# Altium PCB UM-64NNP-V1 rev 0.18_norail.PcbDoc (part 3 of 5) (continued)
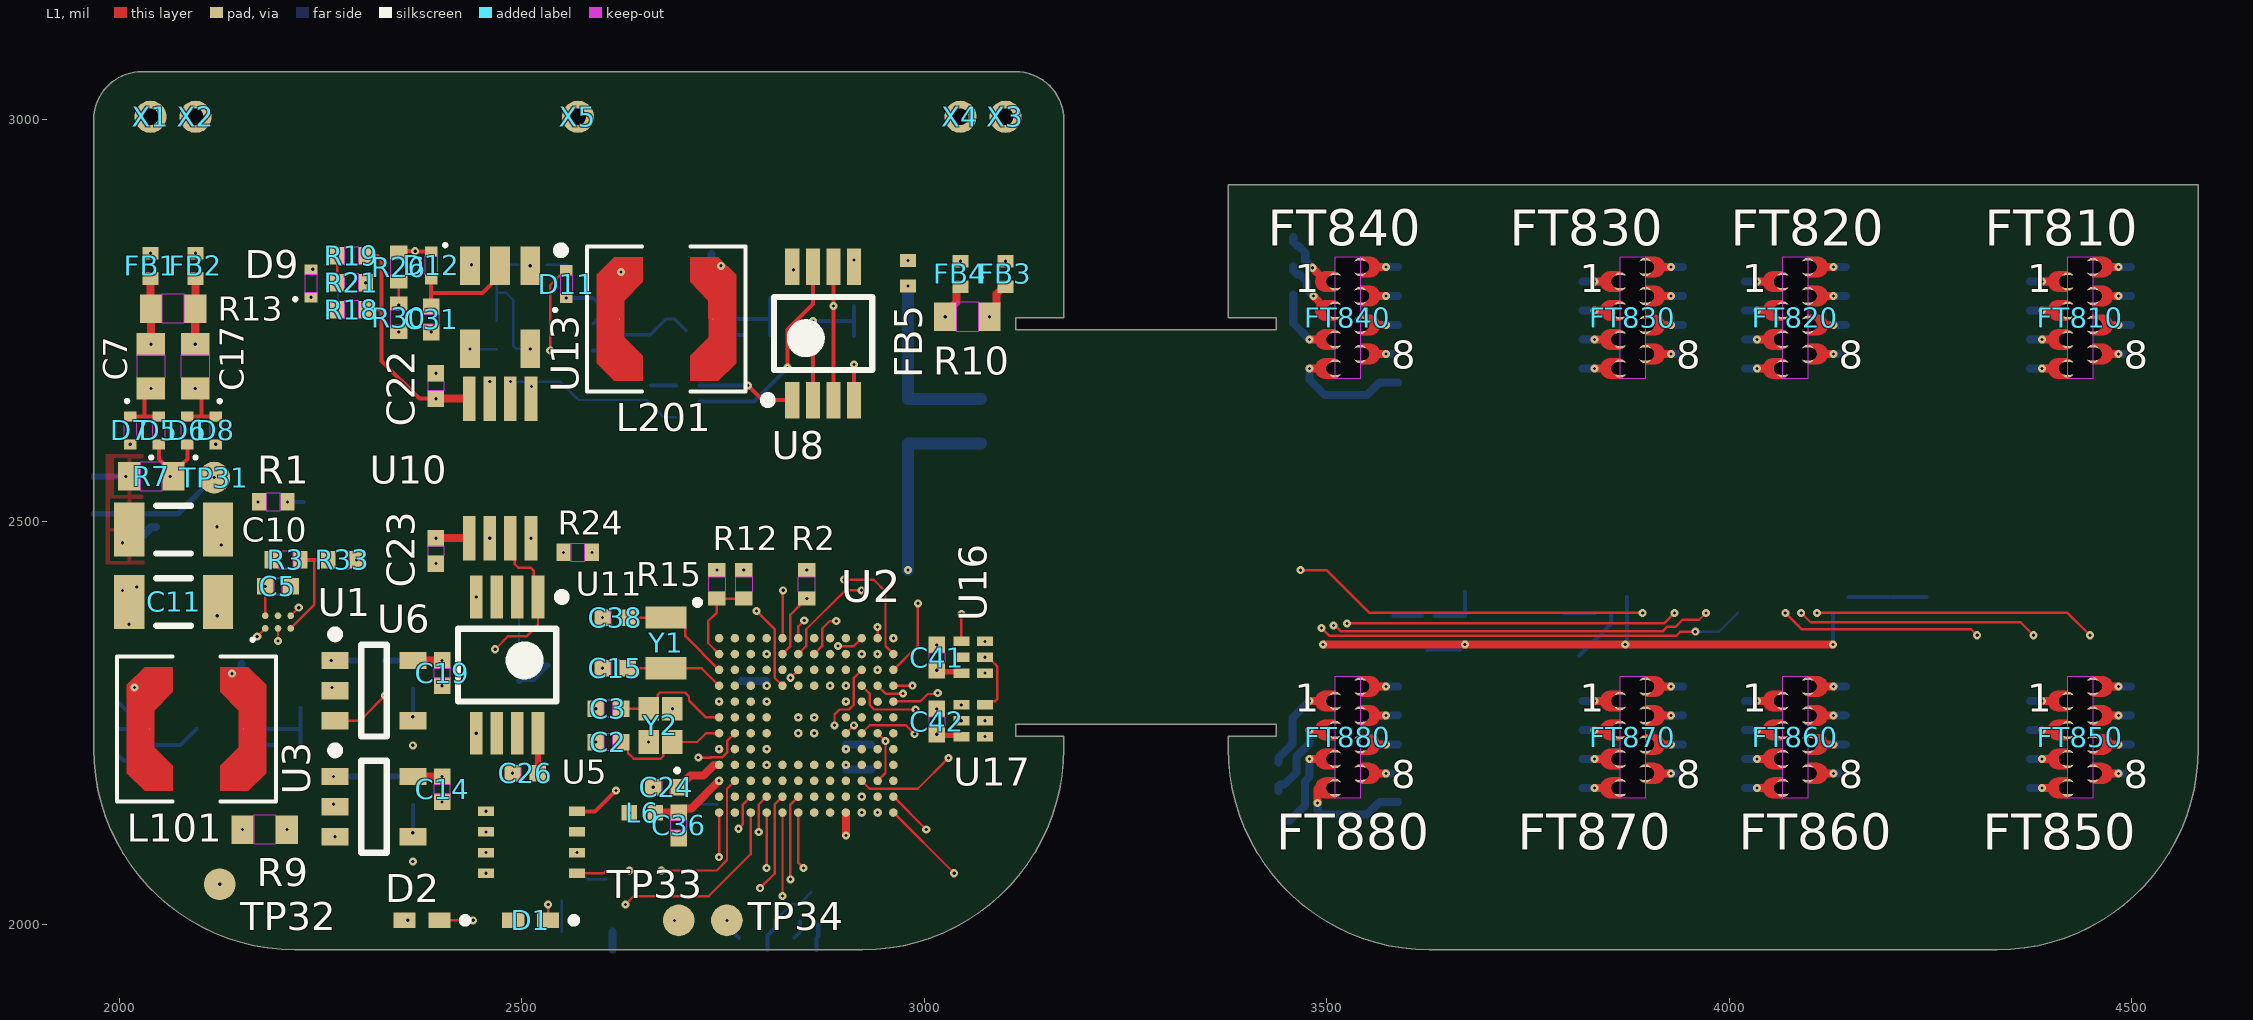
[diagram p0: L1 view]
## Nets (pads, with @x,y where several pads share a name; then routed paths per layer and width w, separated by ;. In a path a pad name is that pad's centre, name@x,y a point inside that pad or via, vN(x,y) a via of type N, cw(c..) or ccw(c..) an arc to the next point about the centre after c; other vN are vias at no path point) (continued)
  other v4: 4495.5,2780.5
  other v5: 4483.5,2780.5
IN12: C857.2 D857.1 FT850.7 U701.D2 | length 818.6
  L1 w10: 4474.38,2223.5 v1(4483.5,2223.5)
  L3 w10: 4474.38,2223.5 v1(4483.5,2223.5) v2(4495.5,2223.5)
  L4 w3: v2(4138.49,2554.29) 4348.86,2554.29 4557.66,2345.49 4557.66,2241.64 4552.75,2236.73 v2(4552.75,2235.5)
  L4 w10: 4474.38,2223.5 v1(4483.5,2223.5) v2(4495.5,2223.5)
  L2 w10: 4474.38,2223.5 v1(4483.5,2223.5) v2(4495.5,2223.5)
  L5 w3: v1(4128.65,2564.13) v2(4138.49,2554.29) ; v1(4552.75,2223.5) v2(4552.75,2235.5)
  L5 w10: 4474.38,2223.5 v1(4483.5,2223.5) v2(4495.5,2223.5) ; v2@4495.57,2223.43 4539.26,2223.43 4539.33,2223.5 v1(4552.75,2223.5)
  L6 w10: 4474.38,2223.5 v1(4483.5,2223.5) D857.1@4498.62,2223.5
  other v3: 4483.5,2223.5
  other v4: 4495.5,2223.5
  other v5: 4483.5,2223.5
IN13: C815.2 D815.1 FT810.5 U701.C1 | length 777.4
  L1 w10: 4474.38,2816.5 v1(4483.5,2816.5)
  L3 w10: 4474.38,2816.5 v1(4483.5,2816.5) v2(4495.5,2816.5)
  L4 w3: v2(4160.33,2583.81) 4456.08,2583.81 4540.25,2667.98 4540.25,2823.55 4524.83,2838.97 v2(4524.83,2840.86)
  L4 w10: 4474.38,2816.5 v1(4483.5,2816.5) v2(4495.5,2816.5)
  L2 w10: 4474.38,2816.5 v1(4483.5,2816.5) v2(4495.5,2816.5)
  L5 w3: v1(4148.33,2583.81) v2(4160.33,2583.81) ; v1@4516.34,2849.35 v2(4524.83,2840.86)
  L5 w10: 4474.38,2816.5 v1(4483.5,2816.5) v2(4495.5,2816.5) 4495.5,2828.56 v1(4516.34,2849.4)
  L6 w10: 4474.38,2816.5 v1(4483.5,2816.5) D815.1@4498.6,2816.5
  other v3: 4483.5,2816.5
  other v4: 4495.5,2816.5
  other v5: 4483.5,2816.5
IN14: C817.2 D817.1 FT810.7 U701.C2 | length 726.1
  L1 w10: 4474.38,2744.5 v1(4483.5,2744.5)
  L3 w10: 4474.38,2744.5 v1(4483.5,2744.5) v2(4495.5,2744.5)
  L4 w3: v2(4138.49,2573.97) 4471.94,2573.97 4552.75,2654.78 v2(4552.75,2731.94)
  L4 w10: 4474.38,2744.5 v1(4483.5,2744.5) v2(4495.5,2744.5)
  L2 w10: 4474.38,2744.5 v1(4483.5,2744.5) v2(4495.5,2744.5)
  L5 w3: v1(4128.65,2583.81) v2(4138.49,2573.97) ; v2(4552.75,2731.94) v1(4552.75,2743.94)
  L5 w10: 4474.38,2744.5 v1(4483.5,2744.5) v2(4495.5,2744.5) 4552.19,2744.5 v1(4552.75,2743.94)
  L6 w10: 4474.38,2744.5 v1(4483.5,2744.5) D817.1@4498.62,2744.5
  other v3: 4483.5,2744.5
  other v4: 4495.5,2744.5
  other v5: 4483.5,2744.5
IN15: C814.2 D814.1 FT810.4 U701.B1 | length 382
  L1 w10: v1(4388.51,2690.5) 4397.63,2690.5
  L3 w10: v2(4376.51,2690.5) v1(4388.51,2690.5) 4397.63,2690.5
  L4 w3: v2(4160.33,2603.5) 4232.25,2603.5 v2(4310.77,2682.02)
  L4 w10: v2(4376.51,2690.5) v1(4388.51,2690.5) 4397.63,2690.5
  L2 w10: v2(4376.51,2690.5) v1(4388.51,2690.5) 4397.63,2690.5
  L5 w3: v1(4148.33,2603.5) v2(4160.33,2603.5) ; v2(4310.77,2682.02) v1(4319.26,2690.5)
  L5 w10: v1(4319.26,2690.5) v2(4376.51,2690.5) v1(4388.51,2690.5) 4397.63,2690.5
  L6 w10: D814.1@4373.39,2690.5 v1(4388.51,2690.5) 4397.63,2690.5
  other v3: 4388.51,2690.5
  other v4: 4376.51,2690.5
  other v5: 4388.51,2690.5
IN16: C813.2 D813.1 FT810.3 U701.A1 | length 400.8
  L1 w10: v1(4388.51,2726.5) 4397.63,2726.5
  L3 w10: v2(4376.51,2726.5) v1(4388.51,2726.5) 4397.63,2726.5
  L4 w3: v2(4160.33,2623.18) 4215.93,2623.18 v2(4310.77,2718.02)
  L4 w10: v2(4376.51,2726.5) v1(4388.51,2726.5) 4397.63,2726.5
  L2 w10: v2(4376.51,2726.5) v1(4388.51,2726.5) 4397.63,2726.5
  L5 w3: v1(4148.33,2623.18) v2(4160.33,2623.18) ; v2(4310.77,2718.02) v1(4319.26,2726.5)
  L5 w10: v1(4319.26,2726.5) v1(4388.51,2726.5) ; v2(4376.51,2726.5) v1(4388.51,2726.5) ; 4397.63,2726.5 v1(4388.51,2726.5)
  L6 w10: D813.1@4373.39,2726.5 v1(4388.51,2726.5) 4397.63,2726.5
  other v3: 4388.51,2726.5
  other v4: 4376.51,2726.5
  other v5: 4388.51,2726.5
IN17: C818.2 D818.1 FT810.8 U701.B2 | length 592.4
  L1 w10: 4474.38,2708.5 v1(4483.5,2708.5)
  L3 w10: 4474.38,2708.5 v1(4483.5,2708.5) v2(4495.5,2708.5)
  L4 w3: v2(4138.49,2593.66) 4446.96,2593.66 v2(4516.34,2663.04)
  L4 w10: 4474.38,2708.5 v1(4483.5,2708.5) v2(4495.5,2708.5)
  L2 w10: 4474.38,2708.5 v1(4483.5,2708.5) v2(4495.5,2708.5)
  L5 w3: v1(4128.65,2603.5) v2(4138.49,2593.66) ; v2(4516.34,2663.04) v1(4516.34,2675.04)
  L5 w10: 4474.38,2708.5 v1(4483.5,2708.5) v2(4495.5,2708.5) 4516.34,2687.66 v1(4516.34,2675.04)
  L6 w10: 4474.38,2708.5 v1(4483.5,2708.5) D818.1@4498.62,2708.5
  other v3: 4483.5,2708.5
  other v4: 4495.5,2708.5
  other v5: 4483.5,2708.5
IN18: C811.2 D811.1 FT810.1 U701.A2 | length 483.4
  L1 w10: v1(4388.51,2798.5) 4397.63,2798.5
  L3 w10: v2(4376.51,2798.5) v1(4388.51,2798.5) 4397.63,2798.5
  L4 w3: v2(4128.65,2637.09) 4140.59,2649.03 4212.4,2649.03 4294.57,2731.21 4294.57,2773.82 v2(4310.77,2790.02)
  L4 w10: v2(4376.51,2798.5) v1(4388.51,2798.5) 4397.63,2798.5
  L2 w10: v2(4376.51,2798.5) v1(4388.51,2798.5) 4397.63,2798.5
  L5 w3: v1(4128.65,2623.18) v2(4128.65,2637.09) ; v2(4310.77,2790.02) v1(4319.26,2798.5)
  L5 w10: v1(4319.26,2798.5) v1(4388.51,2798.5) ; v2(4376.51,2798.5) v1(4388.51,2798.5) ; 4397.63,2798.5 v1(4388.51,2798.5)
  L6 w10: D811.1@4373.39,2798.5 v1(4388.51,2798.5) 4397.63,2798.5
  other v3: 4388.51,2798.5
  other v4: 4376.51,2798.5
  other v5: 4388.51,2798.5
IN19: C812.2 D812.1 FT810.2 U701.B3 | length 469.2
  L1 w10: v1(4388.51,2762.5) 4397.63,2762.5
  L3 w10: v2(4376.51,2762.5) v1(4388.51,2762.5) 4397.63,2762.5
  L4 w3: v2(4118.8,2613.34) 4119.17,2612.96 4132.3,2612.96 4138.37,2619.03 4138.37,2628.57 4149.23,2639.43 4217.41,2639.43 4301.76,2723.78 4301.76,2744.44 v2(4311.34,2754.02)
  L4 w10: v2(4376.51,2762.5) v1(4388.51,2762.5) 4397.63,2762.5
  L2 w10: v2(4376.51,2762.5) v1(4388.51,2762.5) 4397.63,2762.5
  L5 w3: v1(4108.96,2603.5) v2(4118.8,2613.34) ; v2(4311.34,2754.02) v1(4319.82,2762.5)
  L5 w10: v1(4319.82,2762.5) v2(4376.51,2762.5) v1(4388.51,2762.5) 4397.63,2762.5
  L6 w10: D812.1@4373.39,2762.5 v1(4388.51,2762.5) 4397.63,2762.5
  other v3: 4388.51,2762.5
  other v4: 4376.51,2762.5
  other v5: 4388.51,2762.5
IN20: C825.2 D825.1 FT820.5 U701.A3 | length 486
  L1 w10: 4120.38,2816.5 v1(4129.5,2816.5)
  L3 w10: 4120.38,2816.5 v1(4129.5,2816.5) v2(4141.5,2816.5)
  L4 w3: v2(4108.96,2637.09) 4110.3,2638.43 4116.25,2638.43 4135.32,2657.5 4201.52,2657.5 4230.27,2686.26 4230.27,2772.98 v2(4198.75,2804.5)
  L4 w10: 4120.38,2816.5 v1(4129.5,2816.5) v2(4141.5,2816.5)
  L2 w10: 4120.38,2816.5 v1(4129.5,2816.5) v2(4141.5,2816.5)
  L5 w3: v1(4108.96,2623.18) v2(4108.96,2637.09) ; v2(4198.75,2804.5) v1(4198.75,2816.5)
  L5 w10: 4120.38,2816.5 v1(4129.5,2816.5) ; v2(4141.5,2816.5) v1(4129.5,2816.5) ; v1(4198.75,2816.5) v1(4129.5,2816.5)
  L6 w10: 4120.38,2816.5 v1(4129.5,2816.5) D825.1@4144.62,2816.5
  other v3: 4129.5,2816.5
  other v4: 4141.5,2816.5
  other v5: 4129.5,2816.5
IN21: C826.2 D826.1 FT820.6 U701.B4 | length 470
  L1 w10: 4120.38,2780.5 v1(4129.5,2780.5)
  L3 w10: 4120.38,2780.5 v1(4129.5,2780.5) v2(4141.5,2780.5)
  L4 w3: v2(4099.12,2613.34) 4099.12,2640.69 4107.44,2649 4118.33,2649 4134.33,2665 4196.13,2665 4220.42,2689.29 4220.42,2746.83 v2(4198.75,2768.5)
  L4 w10: 4120.38,2780.5 v1(4129.5,2780.5) v2(4141.5,2780.5)
  L2 w10: 4120.38,2780.5 v1(4129.5,2780.5) v2(4141.5,2780.5)
  L5 w3: v1(4089.28,2603.5) v2(4099.12,2613.34) ; v2(4198.75,2768.5) v1(4198.75,2780.5)
  L5 w10: 4120.38,2780.5 v1(4129.5,2780.5) ; v2(4141.5,2780.5) v1(4129.5,2780.5) ; v1(4198.75,2780.5) v1(4129.5,2780.5)
  L6 w10: 4120.38,2780.5 v1(4129.5,2780.5) D826.1@4144.62,2780.5
  other v3: 4129.5,2780.5
  other v4: 4141.5,2780.5
  other v5: 4129.5,2780.5
IN22: C827.2 D827.1 FT820.7 U701.A4 | length 404.8
  L1 w10: 4120.38,2744.5 v1(4129.5,2744.5)
  L3 w10: 4120.38,2744.5 v1(4129.5,2744.5) v2(4141.5,2744.5)
  L4 w3: v2(4089.28,2637.09) 4089.28,2638.99 4093.46,2643.17 4093.46,2643.51 4104.95,2655 4114.71,2655 4132.89,2673.19 4191.75,2673.19 4211.86,2693.3 4211.86,2719.39 v2(4198.75,2732.5)
  L4 w10: 4120.38,2744.5 v1(4129.5,2744.5) v2(4141.5,2744.5)
  L2 w10: 4120.38,2744.5 v1(4129.5,2744.5) v2(4141.5,2744.5)
  L5 w3: v1(4089.28,2623.18) v2(4089.28,2637.09) ; v2(4198.75,2732.5) v1(4198.75,2744.5)
  L5 w10: 4120.38,2744.5 v1(4129.5,2744.5) ; v2(4141.5,2744.5) v1(4129.5,2744.5) ; v1(4198.75,2744.5) v1(4129.5,2744.5)
  L6 w10: 4120.38,2744.5 v1(4129.5,2744.5) D827.1@4144.62,2744.5
  other v3: 4129.5,2744.5
  other v4: 4141.5,2744.5
  other v5: 4129.5,2744.5
IN23: C828.2 D828.1 FT820.8 U701.B5 | length 382.8
  L1 w10: 4120.38,2708.5 v1(4129.5,2708.5)
  L3 w10: 4120.38,2708.5 v1(4129.5,2708.5) v2(4141.5,2708.5)
  L4 w3: v2(4079.43,2613.34) 4079.43,2640.68 4099.76,2661 4109.69,2661 4128.4,2679.71 4181.96,2679.71 v2(4198.75,2696.5)
  L4 w10: 4120.38,2708.5 v1(4129.5,2708.5) v2(4141.5,2708.5)
  L2 w10: 4120.38,2708.5 v1(4129.5,2708.5) v2(4141.5,2708.5)
  L5 w3: v1(4069.59,2603.5) v2(4079.43,2613.34) ; v2(4198.75,2696.5) v1(4198.75,2708.5)
  L5 w10: 4120.38,2708.5 v1(4129.5,2708.5) ; v2(4141.5,2708.5) v1(4129.5,2708.5) ; v1(4198.75,2708.5) v1(4129.5,2708.5)
  L6 w10: 4120.38,2708.5 v1(4129.5,2708.5) D828.1@4144.62,2708.5
  other v3: 4129.5,2708.5
  other v4: 4141.5,2708.5
  other v5: 4129.5,2708.5
IN24: C821.2 D821.1 FT820.1 U701.A5 | length 544
  L1 w10: v1(4034.51,2798.5) 4043.63,2798.5
  L3 w10: v2(4022.51,2798.5) v1(4034.51,2798.5) 4043.63,2798.5
  L4 w3: v2(4069.59,2635.18) 4043.22,2661.54 4027.92,2661.54 3999.21,2690.25 3999.21,2798.75 4066.97,2866.5 4082.64,2866.5 v2(4083.98,2867.84)
  L4 w10: v2(4022.51,2798.5) v1(4034.51,2798.5) 4043.63,2798.5
  L2 w10: v2(4022.51,2798.5) v1(4034.51,2798.5) 4043.63,2798.5
  L5 w3: v1(4069.59,2623.18) v2(4069.59,2635.18) ; v1(4075.49,2859.36) v2(4083.98,2867.84)
  L5 w10: 4043.63,2798.5 v1(4034.51,2798.5) v2(4022.51,2798.5) 4022.51,2813.79 4058.22,2849.5 4065.64,2849.5 v1(4075.49,2859.36)
  L6 w10: D821.1@4019.39,2798.5 v1(4034.51,2798.5) 4043.63,2798.5
  other v3: 4034.51,2798.5
  other v4: 4022.51,2798.5
  other v5: 4034.51,2798.5
IN25: C861.2 D861.1 FT860.1 U701.B6 | length 455.4
  L1 w10: v5(4034.51,2277.5) 4043.63,2277.5
  L3 w3: v3(4045.24,2332.94) 4045.24,2334.4 4049.91,2339.08 v3(4049.91,2579.5)
  L3 w10: v4(4022.51,2277.5) v5(4034.51,2277.5) 4043.63,2277.5
  L4 w3: v2(4036.75,2324.45) v3(4045.24,2332.94) ; v3(4049.91,2579.5) v2(4049.91,2591.5)
  L4 w10: v4(4022.51,2277.5) v5(4034.51,2277.5) 4043.63,2277.5
  L2 w10: v4(4022.51,2277.5) v5(4034.51,2277.5) 4043.63,2277.5
  L5 w3: v1(4028.27,2315.97) v2(4036.75,2324.45) ; v2(4049.91,2591.5) v1(4049.91,2603.5)
  L5 w10: v4(4022.51,2277.5) v5(4034.51,2277.5) ; v1(4028.27,2315.97) 4034.51,2309.73 v5(4034.51,2277.5) ; 4043.63,2277.5 v5(4034.51,2277.5)
  L6 w10: D861.1@4019.41,2277.5 v5(4034.51,2277.5) 4043.63,2277.5
  other v1: 4034.51,2277.5
  other v2: 4022.51,2277.5
  other v3: 4034.51,2277.5
IN26: C822.2 D822.1 FT820.2 U701.A6 | length 542.6
  L1 w10: v1(4034.51,2762.5) 4043.63,2762.5
  L3 w10: v2(4022.51,2762.5) v1(4034.51,2762.5) 4043.63,2762.5
  L4 w3: v2(4049.91,2635.18) 4029.54,2655.54 4025.44,2655.54 3993.21,2687.77 3993.21,2808.57 v2(4052.48,2867.84)
  L4 w10: v2(4022.51,2762.5) v1(4034.51,2762.5) 4043.63,2762.5
  L2 w10: v2(4022.51,2762.5) v1(4034.51,2762.5) 4043.63,2762.5
  L5 w3: v1(4044,2859.36) v2(4052.48,2867.84) ; v1(4049.91,2623.18) v2(4049.91,2635.18)
  L5 w10: 4043.63,2762.5 v1(4034.51,2762.5) v2(4022.51,2762.5) 4008.13,2776.88 4008.13,2823.49 v1(4044,2859.36)
  L6 w10: D822.1@4019.39,2762.5 v1(4034.51,2762.5) 4043.63,2762.5
  other v3: 4034.51,2762.5
  other v4: 4022.51,2762.5
  other v5: 4034.51,2762.5
IN27: C864.2 D864.1 FT860.4 U701.B7 | length 679.5
  L1 w10: v3(4034.51,2169.5) 4043.63,2169.5
  L3 w3: v3(4030.22,2579.5) 4041.25,2568.46 4041.25,2360.98 4008.86,2328.59 4008.86,2168.95 4020.85,2156.96 4029.44,2156.96 v3(4042.77,2143.62)
  L3 w10: v2(4022.51,2169.5) v3(4034.51,2169.5) 4043.63,2169.5
  L4 w3: v3(4030.22,2579.5) v2(4030.22,2591.5) ; v3(4042.77,2143.62) v2(4051.26,2135.14)
  L4 w10: v2(4022.51,2169.5) v3(4034.51,2169.5) 4043.63,2169.5
  L2 w10: v2(4022.51,2169.5) v3(4034.51,2169.5) 4043.63,2169.5
  L5 w3: v2(4030.22,2591.5) v1(4030.22,2603.5)
  L5 w10: v2(4022.51,2169.5) v3(4034.51,2169.5) 4043.63,2169.5 ; v1@4034.51,2168.94 4034.51,2151.89 v2(4051.26,2135.14) v1(4059.74,2126.65)
  L6 w10: D864.1@4019.41,2169.5 v3(4034.51,2169.5) 4043.63,2169.5
  other v1: 4034.51,2169.5
  other v4: 4022.51,2169.5
  other v5: 4034.51,2169.5
IN28: C823.2 D823.1 FT820.3 U701.A7 | length 558.6
  L1 w10: v1(4034.51,2726.5) 4043.63,2726.5
  L3 w10: v2(4022.51,2726.5) v1(4034.51,2726.5) 4043.63,2726.5
  L4 w3: v2(4020.99,2867.84) 3987.21,2834.07 3987.21,2678.19 v2(4030.22,2635.18)
  L4 w10: v2(4022.51,2726.5) v1(4034.51,2726.5) 4043.63,2726.5
  L2 w10: v2(4022.51,2726.5) v1(4034.51,2726.5) 4043.63,2726.5
  L5 w3: v1(4012.5,2859.36) v2(4020.99,2867.84) ; v1(4030.22,2623.18) v2(4030.22,2635.18)
  L5 w10: v1(4012.5,2859.36) 3994,2840.86 3994,2755.01 v2(4022.51,2726.5) v1(4034.51,2726.5) 4043.63,2726.5
  L6 w10: D823.1@4019.39,2726.5 v1(4034.51,2726.5) 4043.63,2726.5
  other v3: 4034.51,2726.5
  other v4: 4022.51,2726.5
  other v5: 4034.51,2726.5
IN29: C863.2 D863.1 FT860.3 U701.B8 | length 713
  L1 w10: v1(4034.51,2205.5) 4043.63,2205.5
  L3 w3: v3(4010.54,2579.5) 4010.54,2556.41 4033.5,2533.45 4033.5,2361.71 3996.77,2324.99 3996.77,2172.55 4011.28,2158.04 v3(4011.28,2143.62)
  L3 w10: v2(4022.51,2205.5) v1(4034.51,2205.5) 4043.63,2205.5
  L4 w3: v3(4010.54,2579.5) v2(4010.54,2591.5) ; v3(4011.28,2143.62) v2(4019.76,2135.14)
  L4 w10: v2(4022.51,2205.5) v1(4034.51,2205.5) 4043.63,2205.5
  L2 w10: v2(4022.51,2205.5) v1(4034.51,2205.5) 4043.63,2205.5
  L5 w3: v2(4010.54,2591.5) v1(4010.54,2603.5)
  L5 w10: v1(4028.25,2126.65) v2(4019.76,2135.14) 4008.86,2146.04 4008.86,2191.85 v2(4022.51,2205.5) v1(4034.51,2205.5) 4043.63,2205.5
  L6 w10: D863.1@4019.41,2205.5 v1(4034.51,2205.5) 4043.63,2205.5
  other v3: 4034.51,2205.5
  other v4: 4022.51,2205.5
  other v5: 4034.51,2205.5
IN30: C824.2 D824.1 FT820.4 U701.A8 | length 577.8
  L1 w10: v1(4034.51,2690.5) 4043.63,2690.5
  L3 w10: v2(4022.51,2690.5) v1(4034.51,2690.5) 4043.63,2690.5
  L4 w3: v2(3981,2872.1) 3981.21,2871.9 3981.21,2664.51 v2(4010.54,2635.18)
  L4 w10: v2(4022.51,2690.5) v1(4034.51,2690.5) 4043.63,2690.5
  L2 w10: v2(4022.51,2690.5) v1(4034.51,2690.5) 4043.63,2690.5
  L5 w3: v1(3981,2860.1) v2(3981,2872.1) ; v1(4010.54,2623.18) v2(4010.54,2635.18)
  L5 w10: v1(3981,2860.1) 3981,2732.01 v2(4022.51,2690.5) v1(4034.51,2690.5) 4043.63,2690.5
  L6 w10: D824.1@4019.39,2690.5 v1(4034.51,2690.5) 4043.63,2690.5
  other v3: 4034.51,2690.5
  other v4: 4022.51,2690.5
  other v5: 4034.51,2690.5
IN31: C862.2 D862.1 FT860.2 U701.B9 | length 738
  L1 w10: v1(4034.51,2241.5) 4043.63,2241.5
  L3 w3: v3(3990.85,2579.5) 3990.85,2544.44 4025.58,2509.71 4025.58,2362.37 3990.77,2327.56 3990.77,2170.06 3994.25,2166.59 v3(3994.25,2153.16)
  L3 w10: v2(4022.51,2241.5) v1(4034.51,2241.5) 4043.63,2241.5
  L4 w3: v3(3990.85,2579.5) v2(3990.85,2591.5) ; v2(3994.25,2141.16) v3(3994.25,2153.16)
  L4 w10: v2(4022.51,2241.5) v1(4034.51,2241.5) 4043.63,2241.5
  L2 w10: v2(4022.51,2241.5) v1(4034.51,2241.5) 4043.63,2241.5
  L5 w3: v2(3990.85,2591.5) v1(3990.85,2603.5)
  L5 w10: v1(3996.75,2126.65) 3994.25,2129.16 v2(3994.25,2141.16) 3994.25,2213.24 v2(4022.51,2241.5) v1(4034.51,2241.5) 4043.63,2241.5
  L6 w10: D862.1@4019.41,2241.5 v1(4034.51,2241.5) 4043.63,2241.5
  other v3: 4034.51,2241.5
  other v4: 4022.51,2241.5
  other v5: 4034.51,2241.5
IN32: C837.2 D837.1 FT830.7 U701.A9 | length 527.4
  L1 w10: 3918.38,2744.5 v1(3927.5,2744.5)
  L3 w10: 3918.38,2744.5 v1(3927.5,2744.5) v2(3939.5,2744.5)
  L4 w3: v2(3949.51,2871.36) 3975.21,2845.65 3975.21,2662.02 3976.13,2661.1 3976.13,2649.9 v2(3990.85,2635.18)
  L4 w10: 3918.38,2744.5 v1(3927.5,2744.5) v2(3939.5,2744.5)
  L2 w10: 3918.38,2744.5 v1(3927.5,2744.5) v2(3939.5,2744.5)
  L5 w3: v1(3949.51,2859.36) v2(3949.51,2871.36) ; v1(3990.85,2623.18) v2(3990.85,2635.18)
  L5 w10: 3918.38,2744.5 v1(3927.5,2744.5) v2(3939.5,2744.5) 3965.21,2770.22 3965.21,2789.27 3965.5,2789.56 3965.5,2839.77 3949.51,2855.76 v1(3949.51,2859.36)
  L6 w10: 3918.38,2744.5 v1(3927.5,2744.5) D837.1@3942.62,2744.5
  other v3: 3927.5,2744.5
  other v4: 3939.5,2744.5
  other v5: 3927.5,2744.5
IN33: C836.2 D836.1 FT830.6 U701.A10 | length 504.1
  L1 w10: 3918.38,2780.5 v1(3927.5,2780.5)
  L3 w10: 3918.38,2780.5 v1(3927.5,2780.5) v2(3939.5,2780.5)
  L4 w3: v2(3909.53,2867.84) 3969.21,2808.16 3969.21,2659.53 3970.13,2658.61 3970.13,2636.21 v2(3971.16,2635.18)
  L4 w10: 3918.38,2780.5 v1(3927.5,2780.5) v2(3939.5,2780.5)
  L2 w10: 3918.38,2780.5 v1(3927.5,2780.5) v2(3939.5,2780.5)
  L5 w3: v2(3909.53,2867.84) v1(3918.01,2859.36) ; v1(3971.16,2623.18) v2(3971.16,2635.18)
  L5 w10: v1(3918.01,2859.36) 3927.53,2859.36 3952.5,2834.39 3952.5,2793.5 v2(3939.5,2780.5) v1(3927.5,2780.5) 3918.38,2780.5
  L6 w10: 3918.38,2780.5 v1(3927.5,2780.5) D836.1@3942.62,2780.5
  other v3: 3927.5,2780.5
  other v4: 3939.5,2780.5
  other v5: 3927.5,2780.5
IN34: C876.2 D876.1 FT870.6 U701.B10 | length 767.3
  L1 w10: 3918.38,2259.5 v5(3927.5,2259.5)
  L3 w3: v3(3965.26,2150.65) 3965.26,2311.46 4017.59,2363.8 4017.59,2494.3 3971.16,2540.73 v3(3971.16,2579.5)
  L3 w10: 3918.38,2259.5 v5(3927.5,2259.5) v4(3939.5,2259.5)
  L4 w3: v2(3965.26,2138.65) v3(3965.26,2150.65) ; v3(3971.16,2579.5) v2(3971.16,2591.5)
  L4 w10: 3918.38,2259.5 v5(3927.5,2259.5) v4(3939.5,2259.5)
  L2 w10: 3918.38,2259.5 v5(3927.5,2259.5) v4(3939.5,2259.5)
  L5 w3: v2(3971.16,2591.5) v1(3971.16,2603.5)
  L5 w10: 3918.38,2259.5 v5(3927.5,2259.5) v4(3939.5,2259.5) 3965.5,2233.5 3965.5,2138.9 v2(3965.26,2138.65) v1(3965.26,2126.65)
  L6 w10: 3918.38,2259.5 v5(3927.5,2259.5) D876.1@3942.64,2259.5
  other v1: 3927.5,2259.5
  other v2: 3939.5,2259.5
  other v3: 3927.5,2259.5
IN35: C835.2 D835.1 FT830.5 U701.A11 | length 504.7
  L1 w10: 3918.38,2816.5 v1(3927.5,2816.5)
  L3 w10: 3918.38,2816.5 v1(3927.5,2816.5) v2(3939.5,2816.5)
  L4 w3: v2(3874.52,2859.36) 3893.94,2859.36 3910.9,2842.39 3924.05,2842.39 3963.21,2803.23 3963.21,2646.91 v2(3951.48,2635.18)
  L4 w10: 3918.38,2816.5 v1(3927.5,2816.5) v2(3939.5,2816.5)
  L2 w10: 3918.38,2816.5 v1(3927.5,2816.5) v2(3939.5,2816.5)
  L5 w3: v2(3874.52,2859.36) v1(3886.52,2859.36) ; v1(3951.48,2623.18) v2(3951.48,2635.18)
  L5 w10: v1(3886.52,2859.36) 3896.37,2849.5 3903.79,2849.5 3908.79,2844.5 3924,2844.5 3939.5,2829 v2(3939.5,2816.5) v1(3927.5,2816.5) 3918.38,2816.5
  L6 w10: 3918.38,2816.5 v1(3927.5,2816.5) D835.1@3942.62,2816.5
  other v3: 3927.5,2816.5
  other v4: 3939.5,2816.5
  other v5: 3927.5,2816.5
IN36: C877.2 D877.1 FT870.7 U701.B11 | length 738.8
  L1 w10: 3918.38,2223.5 v5(3927.5,2223.5)
  L3 w3: v3(3940.5,2157.39) 3959.26,2176.15 3959.26,2315.55 4009.8,2366.09 4009.8,2476.27 3951.48,2534.59 v3(3951.48,2579.5)
  L3 w10: 3918.38,2223.5 v5(3927.5,2223.5) v4(3939.5,2223.5)
  L4 w3: v2(3940.5,2145.39) v3(3940.5,2157.39) ; v3(3951.48,2579.5) v2(3951.48,2591.5)
  L4 w10: 3918.38,2223.5 v5(3927.5,2223.5) v4(3939.5,2223.5)
  L2 w10: 3918.38,2223.5 v5(3927.5,2223.5) v4(3939.5,2223.5)
  L5 w3: v2(3951.48,2591.5) v1(3951.48,2603.5)
  L5 w10: 3918.38,2223.5 v5(3927.5,2223.5) v4(3939.5,2223.5) 3952.5,2210.5 3952.5,2157.39 v2(3940.5,2145.39) 3940.5,2133.39 v1(3933.76,2126.65)
  L6 w10: 3918.38,2223.5 v5(3927.5,2223.5) D877.1@3942.64,2223.5
  other v1: 3927.5,2223.5
  other v2: 3939.5,2223.5
  other v3: 3927.5,2223.5
IN37: C838.2 D838.1 FT830.8 U701.A12 | length 206.3
  L1 w10: 3918.38,2708.5 v1(3927.5,2708.5)
  L3 w10: 3918.38,2708.5 v1(3927.5,2708.5) v2(3939.5,2708.5)
  L4 w3: v2(3931.79,2635.18) 3932.77,2636.16 3932.77,2661.77 v2(3933.76,2662.76)
  L4 w10: 3918.38,2708.5 v1(3927.5,2708.5) v2(3939.5,2708.5)
  L2 w10: 3918.38,2708.5 v1(3927.5,2708.5) v2(3939.5,2708.5)
  L5 w3: v1(3931.79,2623.18) v2(3931.79,2635.18) ; v2(3933.76,2662.76) v1(3933.76,2674.76)
  L5 w10: 3918.38,2708.5 v1(3927.5,2708.5) v2(3939.5,2708.5) 3939.5,2680.5 v1(3933.76,2674.76)
  L6 w10: 3918.38,2708.5 v1(3927.5,2708.5) D838.1@3942.62,2708.5
  other v3: 3927.5,2708.5
  other v4: 3939.5,2708.5
  other v5: 3927.5,2708.5
IN38: C878.2 D878.1 FT870.8 U701.B12 | length 730.8
  L1 w10: 3918.38,2187.5 v5(3927.5,2187.5)
  L3 w3: v3(3919.23,2143.62) 3931,2155.39 3931,2161.33 3952.29,2182.62 3952.29,2318.33 4003.8,2369.84 4003.8,2453.47 3931.79,2525.49 v3(3931.79,2579.5)
  L3 w10: 3918.38,2187.5 v5(3927.5,2187.5) v4(3939.5,2187.5)
  L4 w3: v2(3910.75,2135.14) v3(3919.23,2143.62) ; v3(3931.79,2579.5) v2(3931.79,2591.5)
  L4 w10: 3918.38,2187.5 v5(3927.5,2187.5) v4(3939.5,2187.5)
  L2 w10: 3918.38,2187.5 v5(3927.5,2187.5) v4(3939.5,2187.5)
  L5 w3: v2(3931.79,2591.5) v1(3931.79,2603.5)
  L5 w10: v1(3902.26,2126.65) 3939.5,2163.89 v4(3939.5,2187.5) v5(3927.5,2187.5) 3918.38,2187.5
  L6 w10: 3918.38,2187.5 v5(3927.5,2187.5) D878.1@3942.64,2187.5
  other v1: 3927.5,2187.5
  other v2: 3939.5,2187.5
  other v3: 3927.5,2187.5
IN39: C834.2 D834.1 FT830.4 U701.A13 | length 377.9
  L1 w10: v1(3832.51,2690.5) 3841.63,2690.5
  L3 w10: v2(3820.51,2690.5) v1(3832.51,2690.5) 3841.63,2690.5
  L4 w3: v2(3763.26,2678.5) 3781.04,2660.72 3886.57,2660.72 v2(3912.11,2635.18)
  L4 w10: v2(3820.51,2690.5) v1(3832.51,2690.5) 3841.63,2690.5
  L2 w10: v2(3820.51,2690.5) v1(3832.51,2690.5) 3841.63,2690.5
  L5 w3: v2(3763.26,2678.5) v1(3763.26,2690.5) ; v1(3912.11,2623.18) v2(3912.11,2635.18)
  L5 w10: v1(3763.26,2690.5) v1(3832.51,2690.5) ; v2(3820.51,2690.5) v1(3832.51,2690.5) ; 3841.63,2690.5 v1(3832.51,2690.5)
  L6 w10: D834.1@3817.39,2690.5 v1(3832.51,2690.5) 3841.63,2690.5
  other v3: 3832.51,2690.5
  other v4: 3820.51,2690.5
  other v5: 3832.51,2690.5
IN40: C875.2 D875.1 FT870.5 U701.B13 | length 532.1
  L1 w10: 3918.38,2295.5 v5(3927.5,2295.5)
  L3 w3: v3(3912.11,2579.5) 3912.11,2524.75 3997.8,2439.06 3997.8,2387.48 3944.29,2333.97 v1(3933.76,2333.97)
  L3 w10: 3918.38,2295.5 v5(3927.5,2295.5) v4(3939.5,2295.5)
  L4 w3: v3(3912.11,2579.5) v2(3912.11,2591.5) ; v1(3933.76,2333.97) v2(3933.76,2345.97)
  L4 w10: 3918.38,2295.5 v5(3927.5,2295.5) v4(3939.5,2295.5)
  L2 w10: 3918.38,2295.5 v5(3927.5,2295.5) v4(3939.5,2295.5)
  L5 w3: v2(3912.11,2591.5) v1(3912.11,2603.5) ; v1(3933.76,2333.97) v2(3933.76,2345.97)
  L5 w10: 3918.38,2295.5 v5(3927.5,2295.5) ; v1(3933.76,2333.97) 3938.94,2328.79 v2@3938.94,2295.5 ; v5(3927.5,2295.5) v4(3939.5,2295.5) v5(3927.5,2295.5)
  L6 w10: 3918.38,2295.5 v5(3927.5,2295.5) D875.1@3942.62,2295.5
  other v1: 3927.5,2295.5
  other v2: 3939.5,2295.5
  other v3: 3927.5,2295.5 3933.76,2333.97
IN41: C833.2 D833.1 FT830.3 U701.A14 | length 423.2
  L1 w10: v1(3832.51,2726.5) 3841.63,2726.5
  L3 w10: v2(3820.51,2726.5) v1(3832.51,2726.5) 3841.63,2726.5
  L4 w3: v2(3754.77,2718.02) 3747.51,2710.76 3747.51,2676.38 3769.17,2654.72 3882.34,2654.72 3892.42,2644.64 v2(3892.42,2635.18)
  L4 w10: v2(3820.51,2726.5) v1(3832.51,2726.5) 3841.63,2726.5
  L2 w10: v2(3820.51,2726.5) v1(3832.51,2726.5) 3841.63,2726.5
  L5 w3: v2(3754.77,2718.02) v1(3763.26,2726.5) ; v1(3892.42,2623.18) v2(3892.42,2635.18)
  L5 w10: v1(3763.26,2726.5) v1(3832.51,2726.5) ; v2(3820.51,2726.5) v1(3832.51,2726.5) ; 3841.63,2726.5 v1(3832.51,2726.5)
  L6 w10: D833.1@3817.39,2726.5 v1(3832.51,2726.5) 3841.63,2726.5
  other v3: 3832.51,2726.5
  other v4: 3820.51,2726.5
  other v5: 3832.51,2726.5
IN42: C832.2 D832.1 FT830.2 U701.B14 | length 482.5
  L1 w10: v1(3832.51,2762.5) 3841.63,2762.5
  L3 w10: v2(3820.51,2762.5) v1(3832.51,2762.5) 3841.63,2762.5
  L4 w3: v2(3754.77,2754.02) 3740.9,2740.15 3740.9,2674.51 3766.69,2648.72 3876.59,2648.72 3882.58,2642.73 v2(3882.58,2613.34)
  L4 w10: v2(3820.51,2762.5) v1(3832.51,2762.5) 3841.63,2762.5
  L2 w10: v2(3820.51,2762.5) v1(3832.51,2762.5) 3841.63,2762.5
  L5 w3: v2(3754.77,2754.02) v1(3763.26,2762.5) ; v2(3882.58,2613.34) v1(3892.42,2603.5)
  L5 w10: v1(3763.26,2762.5) v1(3832.51,2762.5) ; v2(3820.51,2762.5) v1(3832.51,2762.5) ; 3841.63,2762.5 v1(3832.51,2762.5)
  L6 w10: D832.1@3817.39,2762.5 v1(3832.51,2762.5) 3841.63,2762.5
  other v3: 3832.51,2762.5
  other v4: 3820.51,2762.5
  other v5: 3832.51,2762.5
IN43: C831.2 D831.1 FT830.1 U701.A15 | length 490.9
  L1 w10: v5(3832.51,2798.5) 3841.63,2798.5
  L3 w10: v4(3820.51,2798.5) v5(3832.51,2798.5) 3841.63,2798.5
  L4 w3: v2(3754.77,2790.02) 3734.23,2769.48 3734.23,2672.69 3764.66,2642.26 3865.66,2642.26 v2(3872.74,2635.18)
  L4 w10: v4(3820.51,2798.5) v5(3832.51,2798.5) 3841.63,2798.5
  L2 w10: v4(3820.51,2798.5) v5(3832.51,2798.5) 3841.63,2798.5
  L5 w3: v2(3754.77,2790.02) v1(3763.26,2798.5) ; v1(3872.74,2623.18) v2(3872.74,2635.18)
  L5 w10: v1(3763.26,2798.5) v5(3832.51,2798.5) ; v4(3820.51,2798.5) v5(3832.51,2798.5) ; 3841.63,2798.5 v5(3832.51,2798.5)
  L6 w10: D831.1@3817.39,2798.5 v5(3832.51,2798.5) 3841.63,2798.5
  other v1: 3832.51,2798.5
  other v2: 3820.51,2798.5
  other v3: 3832.51,2798.5
IN44: C841.2 D841.1 FT840.1 U701.B15 | length 820.7
  L1 w10: v5(3482.23,2815.58) 3488.68,2809.13
  L3 w10: v4(3473.74,2824.07) v5(3482.23,2815.58) 3488.68,2809.13
  L4 w3: v2(3484.24,2891.94) 3627.99,2891.94 3727.43,2792.5 3727.43,2671.01 3763.26,2635.18 3857.67,2635.18 3862.9,2629.95 v2(3862.9,2613.34)
  L4 w10: v4(3473.74,2824.07) v5(3482.23,2815.58) 3488.68,2809.13
  L2 w10: v4(3473.74,2824.07) v5(3482.23,2815.58) 3488.68,2809.13
  L5 w3: v1(3472.24,2891.94) v2(3484.24,2891.94) ; v2(3862.9,2613.34) v1(3872.74,2603.5)
  L5 w10: v1(3472.24,2891.94) 3472.24,2825.57 v4(3473.74,2824.07) v5(3482.23,2815.58) 3488.68,2809.13
  L6 w10: D841.1@3458.39,2853.47 3458.39,2847.57 3463.39,2842.57 3464.86,2842.57 3473.28,2834.15 3473.28,2824.54 v5(3482.23,2815.58) 3488.68,2809.13
  other v1: 3482.23,2815.58
  other v2: 3473.74,2824.07
  other v3: 3482.23,2815.58
IN45: C843.2 D843.1 FT840.3 U701.A16 | length 951.6
  L1 w10: v1(3478.51,2726.5) 3487.63,2726.5
  L3 w10: v2(3470.02,2734.99) v1(3478.51,2726.5) 3487.63,2726.5
  L4 w3: v2(3404.26,2792) 3404.26,2824.93 3448.76,2869.44 3623.78,2869.44 3709.87,2783.35 3709.87,2664.41 3760.61,2613.68 3843.55,2613.68 v2(3844.56,2614.69)
  L4 w10: v2(3470.02,2734.99) v1(3478.51,2726.5) 3487.63,2726.5
  L2 w10: v2(3470.02,2734.99) v1(3478.51,2726.5) 3487.63,2726.5
  L5 w3: v1(3404.26,2780) v2(3404.26,2792) ; v2(3844.56,2614.69) v1(3853.05,2623.18)
  L5 w10: v1(3404.26,2780) 3439.29,2780 3458.39,2760.91 3458.39,2746.63 v1(3478.51,2726.5) 3487.63,2726.5
  L6 w10: D843.1@3458.39,2782.61 3458.39,2746.63 v1(3478.51,2726.5) 3487.63,2726.5
  other v3: 3478.51,2726.5
  other v4: 3470.02,2734.99
  other v5: 3478.51,2726.5
IN46: C846.2 D846.1 FT840.6 U701.B16 | length 519.2
  L1 w10: 3564.38,2780.5 v1(3573.5,2780.5)
  L3 w10: 3564.38,2780.5 v1(3573.5,2780.5) v2(3585.5,2780.5)
  L4 w3: v2(3642.75,2768.5) 3694.99,2716.26 3694.99,2659.17 3760.16,2594 v2@3843.21,2594
  L4 w10: 3564.38,2780.5 v1(3573.5,2780.5) v2(3585.5,2780.5)
  L2 w10: 3564.38,2780.5 v1(3573.5,2780.5) v2(3585.5,2780.5)
  L5 w3: v2(3642.75,2768.5) v1(3642.75,2780.5) ; v2(3843.21,2593.66) v1(3853.05,2603.5)
  L5 w10: 3564.38,2780.5 v1(3573.5,2780.5) ; v2(3585.5,2780.5) v1(3573.5,2780.5) ; v1(3642.75,2780.5) v1(3573.5,2780.5)
  L6 w10: 3564.38,2780.5 v1(3573.5,2780.5) D846.1@3588.62,2780.5
  other v3: 3573.5,2780.5
  other v4: 3585.5,2780.5
  other v5: 3573.5,2780.5